# Altium PCB pinban2.PcbDoc (part 2 of 5)
Units mm, origin at the board's own origin, x right, y up, seen from the top; angles counter-clockwise.
Board outline 144.36 x 103.75 mm, 2 copper layers (Top Layer, Bottom Layer); 186 components, 0 nets, 548 pads, 74 vias.
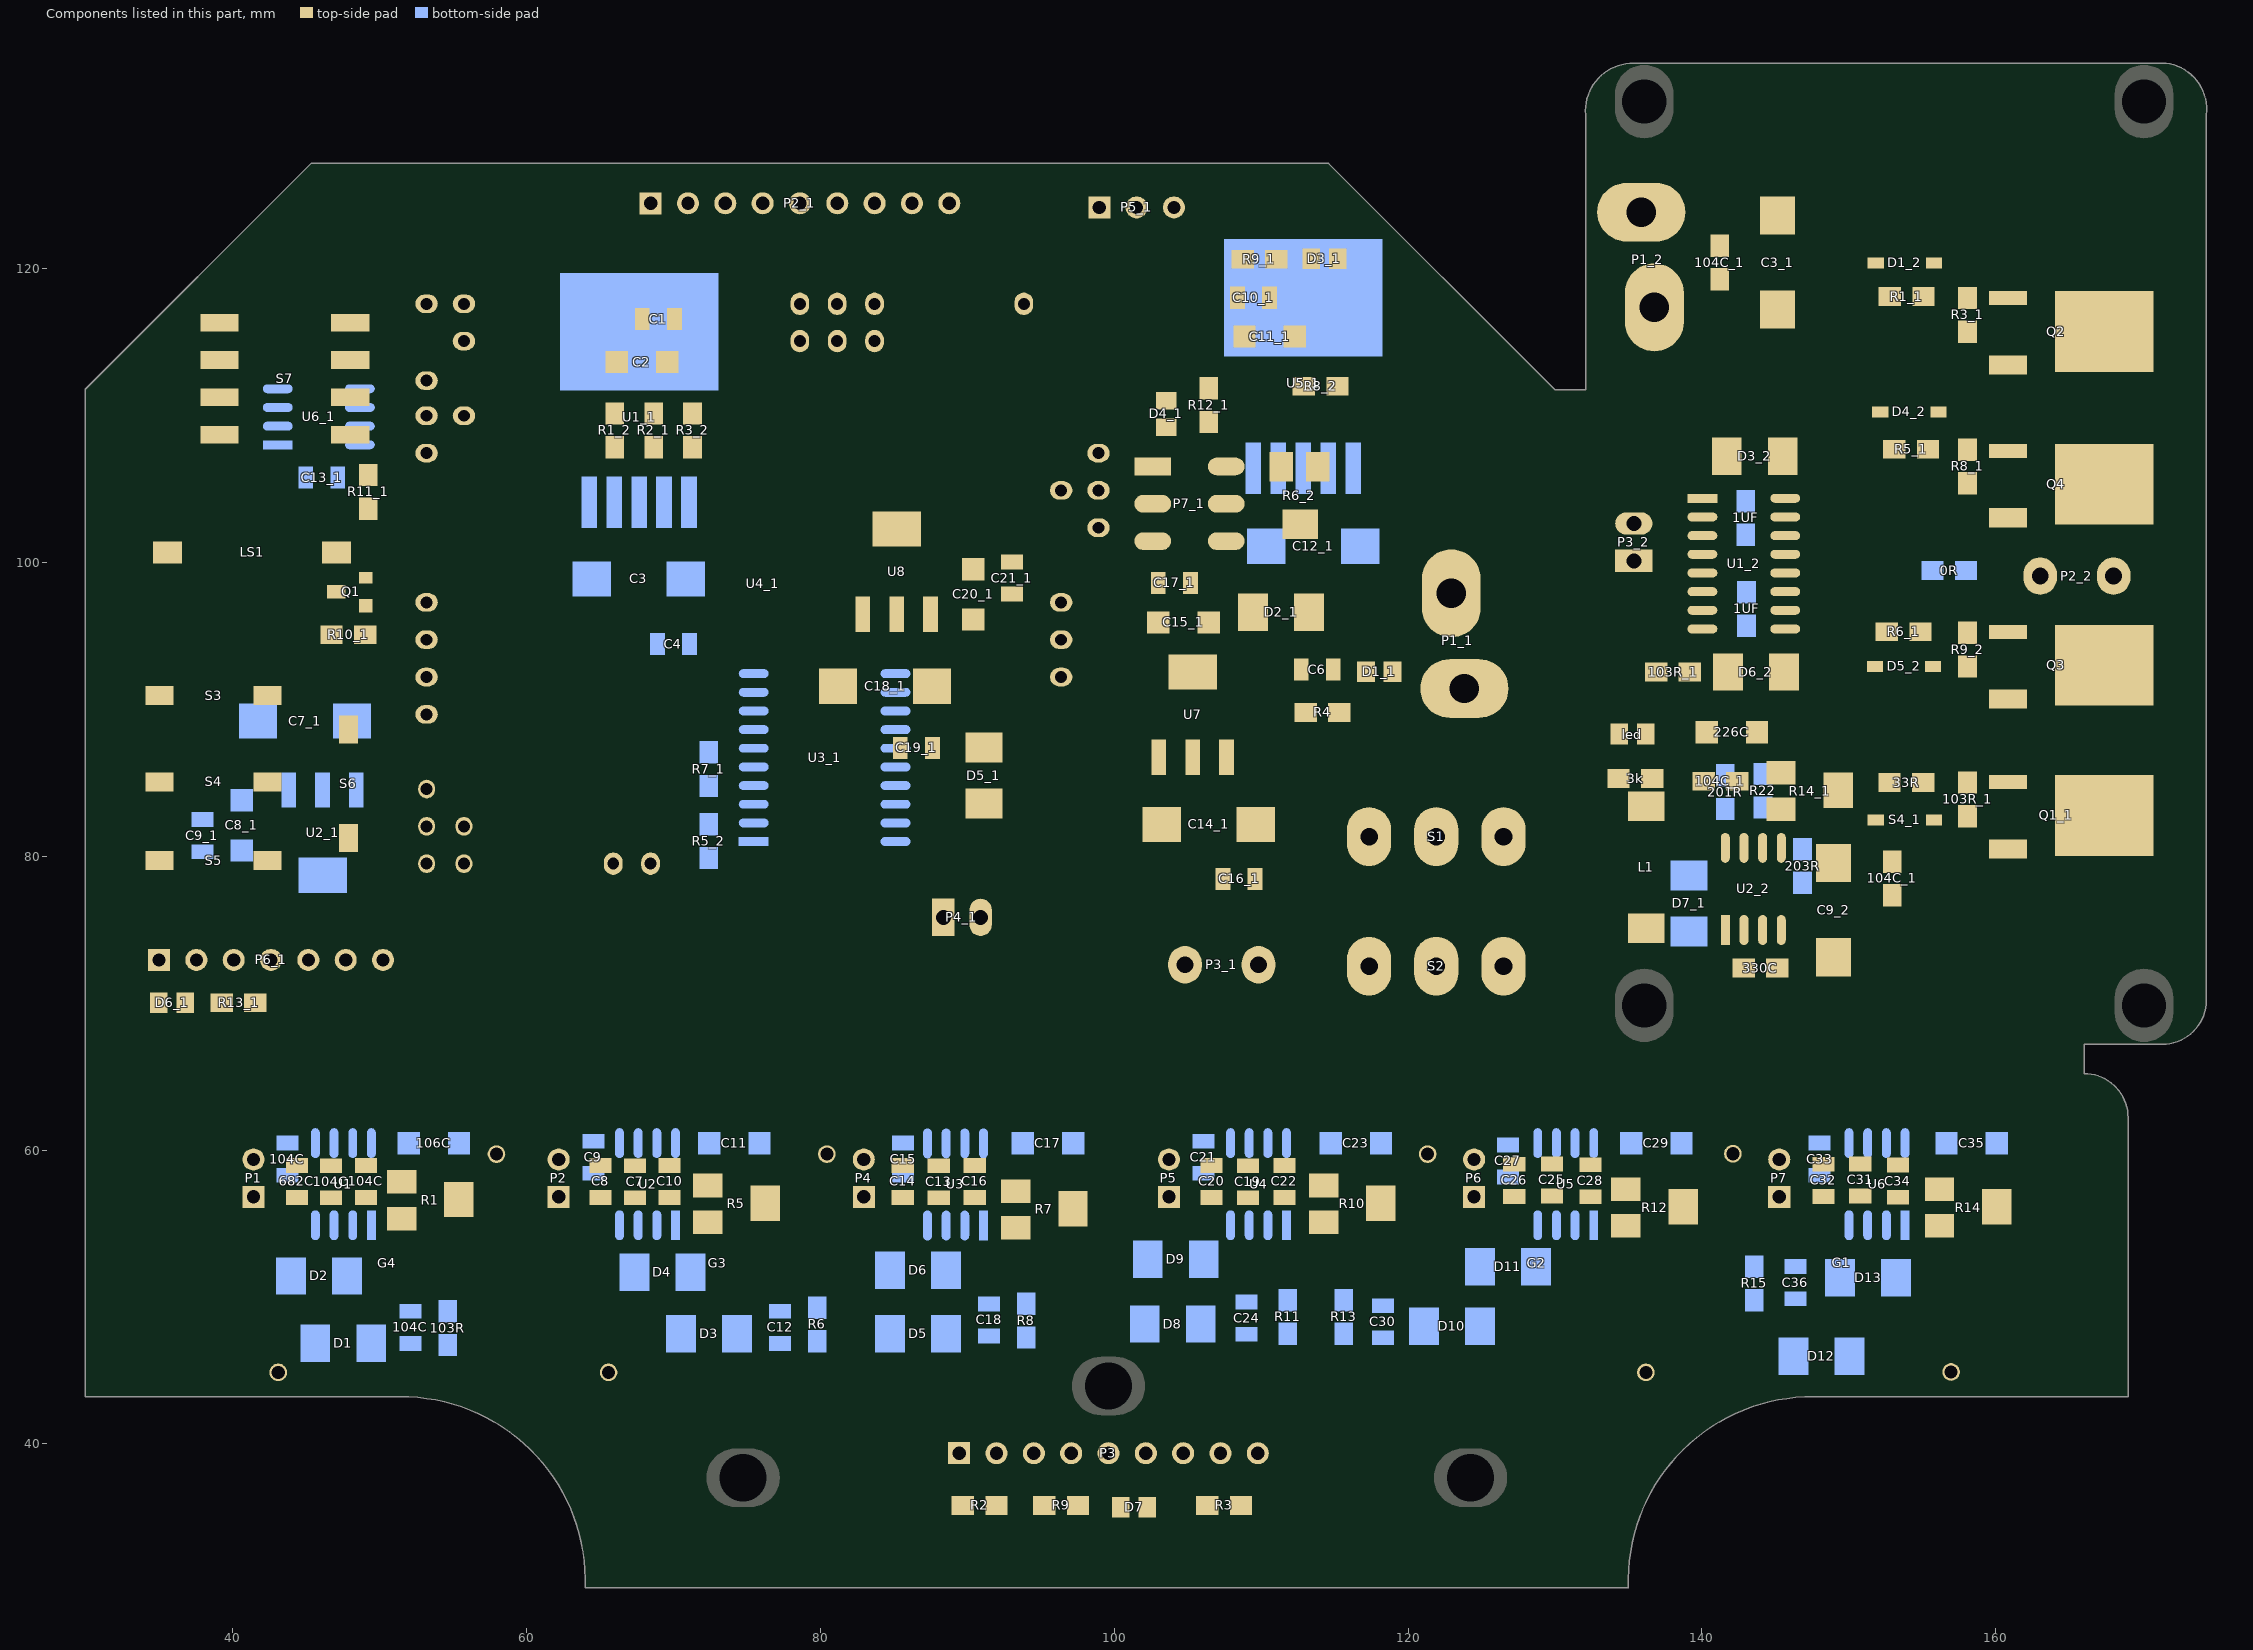
[diagram p2: the components of this part, seen from the top]

## Via types
v1: diameter 0.508, hole 0.381, Top Layer to Bottom Layer, 70 vias
v2: diameter 0.762, hole 0.508, Top Layer to Bottom Layer, 4 vias

## Nets (pads, with @x,y where several pads share a name; then routed paths per layer and width w, separated by ;. In a path a pad name is that pad's centre, name@x,y a point inside that pad or via, vN(x,y) a via of type N, cw(c..) or ccw(c..) an arc to the next point about the centre after c; other vN are vias at no path point) (continued)
copper on no net: (continued)
  Top Layer w0.025: 31.341,59.358 31.519,59.358 ; 31.341,59.383 31.519,59.383 ; 31.341,59.409 31.519,59.409 ; 31.341,59.434 31.519,59.434 ; 31.341,59.459 31.493,59.459 ; 31.341,59.485 31.493,59.485 ; 31.341,59.51 31.493,59.51 ; 31.341,59.536 31.493,59.536 ; 31.341,59.561 31.493,59.561 ; 31.341,59.586 31.493,59.586 ; 31.341,59.612 31.493,59.612 ; 31.341,59.637 31.493,59.637 ; 31.341,59.663 31.493,59.663 ; 31.341,59.688 31.493,59.688 ; 31.341,59.713 31.493,59.713 ; 31.341,59.739 31.493,59.739 ; 31.341,59.764 31.493,59.764 ; 31.341,59.79 31.493,59.79 ; 31.341,59.815 31.493,59.815 ; 31.341,59.84 31.493,59.84 ; 31.341,59.866 31.493,59.866 ; 31.341,59.891 31.493,59.891 ; 31.341,59.917 31.493,59.917 ; 31.341,59.942 31.493,59.942 ; 31.341,59.967 31.493,59.967 ; 31.341,59.993 31.493,59.993 ; 31.341,60.018 31.493,60.018 ; 31.341,60.044 31.493,60.044 ; 31.341,60.069 31.519,60.069 ; 31.341,60.094 31.519,60.094 ; 31.341,60.12 31.519,60.12 ; 31.341,60.145 31.519,60.145 ; 31.366,59.256 31.519,59.256 ; 31.366,59.282 31.519,59.282 ; 31.366,59.307 31.519,59.307 ; 31.366,59.332 31.519,59.332 ; 31.366,60.171 31.519,60.171 ; 31.366,60.196 31.519,60.196 ; 31.366,60.221 31.519,60.221 ; 31.366,60.247 31.519,60.247 ; 31.392,59.104 31.544,59.104 ; 31.392,59.129 31.544,59.129 ; 31.392,59.155 31.544,59.155 ; 31.392,59.18 31.544,59.18 ; 31.392,59.205 31.544,59.205 ; 31.392,59.231 31.544,59.231 ; 31.392,60.272 31.519,60.272 ; 31.392,60.298 31.544,60.298 ; 31.392,60.323 31.544,60.323 ; 31.392,60.348 31.544,60.348 ; 31.392,60.374 31.544,60.374 ; 31.392,60.399 31.544,60.399 ; 31.417,58.977 31.595,58.977 ; 31.417,59.002 31.595,59.002 ; 31.417,59.028 31.595,59.028 ; 31.417,59.053 31.569,59.053 ; 31.417,59.078 31.569,59.078 ; 31.417,60.425 31.569,60.425 ; 31.417,60.45 31.569,60.45 ; 31.417,60.475 31.569,60.475 ; 31.417,60.501 31.595,60.501 ; 31.417,60.526 31.595,60.526 ; 31.442,58.875 31.62,58.875 ; 31.442,58.901 31.62,58.901 ; 31.442,58.926 31.595,58.926 ; 31.442,58.951 31.595,58.951 ; 31.442,60.552 31.595,60.552 ; 31.442,60.577 31.595,60.577 ; 31.442,60.602 31.62,60.602 ; 31.442,60.628 31.62,60.628 ; 31.468,58.824 31.646,58.824 ; 31.468,58.85 31.62,58.85 ; 31.468,60.653 31.62,60.653 ; 31.468,60.679 31.62,60.679 ; 31.493,58.748 31.646,58.748 ; 31.493,58.774 31.646,58.774 ; 31.493,58.799 31.646,58.799 ; 31.493,60.704 31.646,60.704 ; 31.493,60.729 31.646,60.729 ; 31.493,60.755 31.646,60.755 ; 31.493,60.78 31.671,60.78 ; 31.519,58.647 31.696,58.647 ; 31.519,58.672 31.696,58.672 ; 31.519,58.697 31.671,58.697 ; 31.519,58.723 31.671,58.723 ; 31.519,60.806 31.671,60.806 ; 31.519,60.831 31.696,60.831 ; 31.519,60.856 31.696,60.856 ; 31.544,58.57 31.722,58.57 ; 31.544,58.596 31.722,58.596 ; 31.544,58.621 31.722,58.621 ; 31.544,60.882 31.696,60.882 ; 31.544,60.907 31.722,60.907 ; 31.544,60.933 31.722,60.933 ; 31.569,58.545 31.747,58.545 ; 31.569,60.958 31.747,60.958 ; 31.595,58.469 31.773,58.469 ; 31.595,58.494 31.747,58.494 ; 31.595,58.52 31.747,58.52 ; 31.595,60.983 31.747,60.983 ; 31.595,61.009 31.747,61.009 ; 31.595,61.034 31.773,61.034 ; 31.62,58.393 31.823,58.393 ; 31.62,58.418 31.798,58.418 ; 31.62,58.443 31.798,58.443 ; 31.62,61.06 31.798,61.06 ; 31.62,61.085 31.798,61.085 ; 31.646,58.367 31.823,58.367 ; 31.646,61.11 31.823,61.11 ; 31.646,61.136 31.823,61.136 ; 31.671,58.316 31.849,58.316 ; 31.671,58.342 31.849,58.342 ; 31.671,61.161 31.849,61.161 ; 31.671,61.187 31.849,61.187 ; 31.696,58.266 31.9,58.266 ; 31.696,58.291 31.849,58.291 ; 31.696,61.212 31.849,61.212 ; 31.696,61.237 31.874,61.237 ; 31.722,58.215 31.925,58.215 ; 31.722,58.24 31.9,58.24 ; 31.722,61.263 31.9,61.263 ; 31.722,61.288 31.9,61.288 ; 31.747,58.164 31.95,58.164 ; 31.747,58.189 31.925,58.189 ; 31.747,61.314 31.925,61.314 ; 31.747,61.339 31.925,61.339 ; 31.773,58.139 31.95,58.139 ; 31.773,61.364 31.95,61.364 ; 31.798,58.088 32.001,58.088 ; 31.798,58.113 31.976,58.113 ; 31.798,61.39 31.95,61.39 ; 31.798,61.415 32.001,61.415 ; 31.823,58.062 32.001,58.062 ; 31.823,59.256 31.95,59.256 ; 31.823,61.441 32.001,61.441 ; 31.849,57.986 32.052,57.986 ; 31.849,58.012 32.052,58.012 ; 31.849,58.037 32.027,58.037 ; 31.849,59.078 31.9,59.078 ; 31.849,59.104 32.027,59.104 ; 31.849,59.129 32.052,59.129 ; 31.849,59.155 31.925,59.155 ; 31.849,61.466 32.027,61.466 ; 31.849,61.491 32.027,61.491 ; 31.874,61.517 32.052,61.517 ; 31.9,57.935 32.103,57.935 ; 31.9,57.961 32.077,57.961 ; 31.9,58.951 32.128,58.951 ; 31.9,59.18 31.95,59.18 ; 31.9,59.282 32.027,59.282 ; 31.9,61.542 32.077,61.542 ; 31.9,61.568 32.103,61.568 ; 31.925,57.885 32.128,57.885 ; 31.925,57.91 32.128,57.91 ; 31.925,58.799 31.976,58.799 ; 31.925,58.824 32.001,58.824 ; 31.925,59.205 32.001,59.205 ; 31.925,61.593 32.103,61.593 ; 31.95,57.859 32.154,57.859 ; 31.95,58.85 32.052,58.85 ; 31.95,58.875 32.077,58.875 ; 31.95,58.901 32.001,58.901 ; 31.95,58.926 32.001,58.926 ; 31.95,59.231 32.001,59.231 ; 31.95,61.06 32.052,61.06 ; 31.95,61.085 32.027,61.085 ; 31.95,61.618 32.128,61.618 ; 31.95,61.644 32.154,61.644 ; 31.976,57.834 32.179,57.834 ; 31.976,59.256 32.027,59.256 ; 31.976,61.034 32.077,61.034 ; 31.976,61.669 32.179,61.669 ; 32.001,57.808 32.204,57.808 ; 32.001,58.672 32.052,58.672 ; 32.001,59.155 32.052,59.155 ; 32.001,61.695 32.204,61.695 ; 32.027,57.758 32.23,57.758 ; 32.027,57.783 32.23,57.783 ; 32.027,58.697 32.128,58.697 ; 32.027,60.755 32.052,60.755 ; 32.027,60.78 32.052,60.78 ; 32.027,60.806 32.052,60.806 ; 32.027,60.831 32.077,60.831 ; 32.027,60.856 32.077,60.856 ; 32.027,60.882 32.077,60.882 ; 32.027,61.009 32.154,61.009 ; 32.027,61.72 32.204,61.72 ; 32.027,61.745 32.23,61.745 ; 32.052,57.732 32.255,57.732 ; 32.052,58.545 32.154,58.545 ; 32.052,58.57 32.204,58.57 ; 32.052,58.596 32.128,58.596 ; 32.052,58.723 32.204,58.723 ; 32.052,58.901 32.128,58.901 ; 32.052,58.926 32.128,58.926 ; 32.052,60.907 32.103,60.907 ; 32.052,60.933 32.154,60.933 ; 32.052,60.958 32.128,60.958 ; 32.052,60.983 32.128,60.983 ; 32.052,61.771 32.255,61.771 ; 32.077,57.707 32.306,57.707 ; 32.077,58.52 32.103,58.52 ; 32.077,58.621 32.128,58.621 ; 32.077,61.796 32.281,61.796 ; 32.103,57.681 32.331,57.681 ; 32.103,58.647 32.154,58.647 ; 32.103,58.748 32.204,58.748 ; 32.103,61.034 32.154,61.034 ; 32.103,61.822 32.306,61.822 ; 32.128,57.656 32.331,57.656 ; 32.128,58.672 32.179,58.672 ; 32.128,60.882 32.23,60.882 ; 32.128,60.907 32.306,60.907 ; 32.128,61.847 32.331,61.847 ; 32.154,57.631 32.357,57.631 ; 32.154,58.367 32.204,58.367 ; 32.154,58.393 32.204,58.393 ; 32.154,58.418 32.23,58.418 ; 32.154,58.596 32.255,58.596 ; 32.154,58.697 32.204,58.697 ; 32.154,58.774 32.204,58.774 ; 32.154,60.755 32.23,60.755 ; 32.154,60.78 32.23,60.78 ; 32.154,60.806 32.408,60.806 ; 32.154,60.831 32.23,60.831 ; 32.154,60.856 32.23,60.856 ; 32.154,61.872 32.357,61.872 ; 32.154,61.898 32.382,61.898 ; 32.179,57.605 32.408,57.605 ; 32.179,58.342 32.204,58.342 ; 32.179,58.443 32.255,58.443 ; 32.179,60.729 32.255,60.729 ; 32.204,57.554 32.433,57.554 ; 32.204,57.58 32.433,57.58 ; 32.204,58.291 32.281,58.291 ; 32.204,58.316 32.281,58.316 ; 32.204,58.469 32.357,58.469 ; 32.204,58.621 32.255,58.621 ; 32.204,60.679 32.281,60.679 ; 32.204,60.704 32.281,60.704 ; 32.204,60.933 32.306,60.933 ; 32.204,60.958 32.306,60.958 ; 32.204,60.983 32.306,60.983 ; 32.204,61.923 32.408,61.923 ; 32.204,61.949 32.433,61.949 ; 32.23,57.529 32.458,57.529 ; 32.23,60.653 32.281,60.653 ; 32.255,57.504 32.509,57.504 ; 32.255,60.755 32.408,60.755 ; 32.255,60.78 32.408,60.78 ; 32.255,60.831 32.331,60.831 ; 32.255,60.856 32.331,60.856 ; 32.255,60.882 32.331,60.882 ; 32.255,61.009 32.331,61.009 ; 32.255,61.974 32.458,61.974 ; 32.255,61.999 32.484,61.999 ; 32.281,60.729 32.306,60.729 ; 32.281,61.034 32.331,61.034 ; 32.306,57.478 32.535,57.478 ; 32.306,58.164 32.357,58.164 ; 32.306,58.189 32.433,58.189 ; 32.306,61.06 32.458,61.06 ; 32.306,62.025 32.509,62.025 ; 32.331,57.453 32.56,57.453 ; 32.331,58.215 32.433,58.215 ; 32.331,58.367 32.382,58.367 ; 32.331,58.393 32.382,58.393 ; 32.331,58.443 32.382,58.443 ; 32.331,61.085 32.433,61.085 ; 32.331,62.05 32.56,62.05 ; 32.357,57.427 32.585,57.427 ; 32.357,58.062 32.433,58.062 ; 32.357,58.24 32.433,58.24 ; 32.357,58.418 32.382,58.418 ; 32.357,59.688 32.382,59.688 ; 32.357,61.11 32.382,61.11 ; 32.357,62.076 32.585,62.076 ; 32.357,62.101 32.611,62.101 ; 32.382,57.402 32.611,57.402 ; 32.382,60.907 32.433,60.907 ; 32.382,60.933 32.433,60.933 ; 32.408,57.377 32.662,57.377 ; 32.408,58.088 32.458,58.088 ; 32.408,58.113 32.509,58.113 ; 32.408,58.164 32.458,58.164 ; 32.408,58.266 32.484,58.266 ; 32.408,59.459 33.119,59.459 ; 32.408,59.485 33.195,59.485 ; 32.408,59.51 33.246,59.51 ; 32.408,59.536 33.271,59.536 ; 32.408,59.561 33.322,59.561 ; 32.408,59.586 33.398,59.586 ; 32.408,59.612 33.449,59.612 ; 32.408,59.637 33.449,59.637 ; 32.408,59.663 33.525,59.663 ; 32.408,59.688 33.576,59.688 ; 32.408,59.713 33.627,59.713 ; 32.408,59.739 33.652,59.739 ; 32.408,59.764 33.728,59.764 ; 32.408,59.79 33.779,59.79 ; 32.408,59.815 33.83,59.815 ; 32.408,59.84 33.855,59.84 ; 32.408,59.866 33.932,59.866 ; 32.408,59.891 33.957,59.891 ; 32.408,59.917 34.033,59.917 ; 32.408,59.942 34.059,59.942 ; 32.408,59.967 34.135,59.967 ; 32.408,59.993 34.16,59.993 ; 32.408,60.018 34.236,60.018 ; 32.408,60.044 34.287,60.044 ; 32.408,60.069 34.313,60.069 ; 32.408,60.958 32.458,60.958 ; 32.408,60.983 32.458,60.983 ; 32.408,61.009 32.458,61.009 ; 32.408,61.034 32.458,61.034 ; 32.408,62.126 32.636,62.126 ; 32.433,57.351 32.687,57.351 ; 32.433,58.139 32.535,58.139 ; 32.433,58.291 32.458,58.291 ; 32.433,59.282 32.789,59.282 ; 32.433,59.307 32.839,59.307 ; 32.433,59.332 32.865,59.332 ; 32.433,59.358 32.916,59.358 ; 32.433,59.383 32.992,59.383 ; 32.433,59.409 33.043,59.409 ; 32.433,59.434 33.068,59.434 ; 32.433,60.094 34.211,60.094 ; 32.433,60.12 34.16,60.12 ; 32.433,60.145 34.109,60.145 ; 32.433,60.171 34.059,60.171 ; 32.433,60.196 32.814,60.196 ; 32.433,62.152 32.687,62.152 ; 32.458,57.326 32.712,57.326 ; 32.458,57.961 32.585,57.961 ; 32.458,59.18 34.694,59.18 ; 32.458,59.205 34.643,59.205 ; 32.458,59.231 34.617,59.231 ; 32.458,59.256 34.567,59.256 ; 32.458,60.221 32.89,60.221 ; 32.458,60.247 32.941,60.247 ; 32.458,60.272 32.966,60.272 ; 32.458,60.298 33.017,60.298 ; 32.458,60.323 33.068,60.323 ; 32.458,62.177 32.712,62.177 ; 32.484,57.935 32.509,57.935 ; 32.484,58.164 32.56,58.164 ; 32.484,59.129 34.795,59.129 ; 32.484,59.155 34.744,59.155 ; 32.484,60.348 33.119,60.348 ; 32.484,60.374 33.17,60.374 ; 32.509,57.3 32.763,57.3 ; 32.509,59.053 34.871,59.053 ; 32.509,59.078 34.846,59.078 ; 32.509,59.104 34.795,59.104 ; 32.509,60.399 33.22,60.399 ; 32.509,60.425 33.271,60.425 ; 32.509,60.45 33.322,60.45 ; 32.509,60.475 33.347,60.475 ; 32.509,62.203 32.763,62.203 ; 32.535,57.275 32.789,57.275 ; 32.535,57.935 32.611,57.935 ; 32.535,58.977 34.948,58.977 ; 32.535,59.002 34.922,59.002 ; 32.535,59.028 34.922,59.028 ; 32.535,60.501 33.424,60.501 ; 32.535,60.526 33.474,60.526 ; 32.535,62.228 32.789,62.228 ; 32.56,57.25 32.814,57.25 ; 32.56,57.986 32.636,57.986 ; 32.56,58.926 35.024,58.926 ; 32.56,58.951 34.998,58.951 ; 32.56,60.552 33.525,60.552 ; 32.56,60.577 33.551,60.577 ; 32.56,62.253 32.814,62.253 ; 32.585,57.224 32.865,57.224 ; 32.585,57.834 32.636,57.834 ; 32.585,57.859 32.636,57.859 ; 32.585,57.885 32.662,57.885 ; 32.585,57.91 32.662,57.91 ; 32.585,58.012 32.712,58.012 ; 32.585,58.875 35.049,58.875 ; 32.585,58.901 35.024,58.901 ; 32.585,60.602 33.627,60.602 ; 32.585,60.628 33.652,60.628 ; 32.585,62.279 32.865,62.279 ; 32.611,58.799 35.125,58.799 ; 32.611,58.824 35.1,58.824 ; 32.611,58.85 35.075,58.85 ; 32.611,60.653 33.728,60.653 ; 32.611,60.679 33.754,60.679 ; 32.611,60.704 33.805,60.704 ; 32.636,57.199 32.916,57.199 ; 32.636,57.935 32.687,57.935 ; 32.636,57.961 32.687,57.961 ; 32.636,58.037 32.687,58.037 ; 32.636,58.697 32.662,58.697 ; 32.636,58.774 35.125,58.774 ; 32.636,60.729 33.855,60.729 ; 32.636,60.755 33.932,60.755 ; 32.636,62.304 32.916,62.304 ; 32.636,62.33 32.916,62.33 ; 32.662,57.986 32.712,57.986 ; 32.662,58.672 35.227,58.672 ; 32.662,58.748 35.151,58.748 ; 32.662,60.78 33.957,60.78 ; 32.687,57.148 32.992,57.148 ; 32.687,57.173 32.941,57.173 ; 32.687,57.732 32.738,57.732 ; 32.687,58.697 35.202,58.697 ; 32.687,58.723 35.202,58.723 ; 32.687,60.806 34.008,60.806 ; 32.687,60.831 34.059,60.831 ; 32.687,61.771 32.839,61.771 ; 32.687,61.796 32.712,61.796 ; 32.687,61.847 32.712,61.847 ; 32.687,62.355 32.992,62.355 ; 32.712,57.758 32.763,57.758 ; 32.712,57.783 32.789,57.783 ; 32.712,58.647 35.227,58.647 ; 32.712,60.856 34.135,60.856 ; 32.712,60.882 34.16,60.882 ; 32.712,61.72 33.017,61.72 ; 32.712,61.745 32.763,61.745 ; 32.712,61.872 32.814,61.872 ; 32.712,61.898 32.814,61.898 ; 32.738,57.123 33.017,57.123 ; 32.738,57.808 32.865,57.808 ; 32.738,58.596 35.252,58.596 ; 32.738,58.621 35.252,58.621 ; 32.738,60.907 34.211,60.907 ; 32.738,61.695 32.916,61.695 ; 32.738,61.796 32.839,61.796 ; 32.738,62.38 33.017,62.38 ; 32.763,58.57 35.278,58.57 ; 32.763,60.933 34.262,60.933 ; 32.763,61.669 32.916,61.669 ; 32.763,61.822 32.839,61.822 ; 32.763,61.847 32.814,61.847 ; 32.789,57.097 33.093,57.097 ; 32.789,57.656 32.89,57.656 ; 32.789,57.681 32.89,57.681 ; 32.789,57.834 32.89,57.834 ; 32.789,57.859 32.89,57.859 ; 32.789,58.52 35.329,58.52 ; 32.789,58.545 35.303,58.545 ; 32.789,60.958 34.338,60.958 ; 32.789,60.983 34.338,60.983 ; 32.789,62.406 33.093,62.406 ; 32.814,57.072 33.144,57.072 ; 32.814,57.631 32.865,57.631 ; 32.814,57.707 32.839,57.707 ; 32.814,57.732 32.839,57.732 ; 32.814,57.758 32.865,57.758 ; 32.814,57.783 32.865,57.783 ; 32.814,57.885 32.839,57.885 ; 32.814,58.494 35.329,58.494 ; 32.814,61.009 34.414,61.009 ; 32.814,61.06 32.839,61.06 ; 32.814,61.568 32.992,61.568 ; 32.814,61.593 32.916,61.593 ; 32.814,61.618 32.865,61.618 ; 32.814,61.644 32.89,61.644 ; 32.814,61.745 32.865,61.745 ; 32.814,62.431 33.119,62.431 ; 32.839,57.046 33.17,57.046 ; 32.839,58.443 35.354,58.443 ; 32.839,58.469 35.354,58.469 ; 32.839,59.282 34.516,59.282 ; 32.839,60.196 34.008,60.196 ; 32.839,61.034 34.465,61.034 ; 32.839,61.542 32.941,61.542 ; 32.839,62.457 33.17,62.457 ; 32.865,57.707 32.916,57.707 ; 32.865,61.06 34.516,61.06 ; 32.865,61.085 34.541,61.085 ; 32.89,57.021 33.22,57.021 ; 32.89,57.732 32.941,57.732 ; 32.89,58.393 35.379,58.393 ; 32.89,58.418 35.379,58.418 ; 32.89,61.11 34.617,61.11 ; 32.89,61.618 33.017,61.618 ; 32.89,62.482 33.22,62.482 ; 32.916,57.758 32.992,57.758 ; 32.916,57.783 32.992,57.783 ; 32.916,58.367 35.405,58.367 ; 32.916,59.307 34.44,59.307 ; 32.916,61.136 34.668,61.136 ; 32.916,61.644 33.017,61.644 ; 32.941,56.996 33.297,56.996 ; 32.941,58.342 35.405,58.342 ; 32.941,60.221 33.932,60.221 ; 32.941,61.161 35.557,61.161 ; 32.941,61.187 35.583,61.187 ; 32.941,61.593 32.992,61.593 ; 32.941,61.669 33.017,61.669 ; 32.941,61.695 33.017,61.695 ; 32.941,61.745 33.017,61.745 ; 32.941,62.507 33.297,62.507 ; 32.966,57.529 33.017,57.529 ; 32.966,57.554 33.017,57.554 ; 32.966,57.58 33.017,57.58 ; 32.966,57.605 33.017,57.605 ; 32.966,58.316 35.43,58.316 ; 32.966,62.533 33.322,62.533 ; 32.992,56.97 33.347,56.97 ; 32.992,57.504 33.043,57.504 ; 32.992,57.631 33.043,57.631 ; 32.992,58.291 35.43,58.291 ; 32.992,59.332 34.414,59.332 ; 32.992,61.212 35.659,61.212 ; 32.992,61.237 36.04,61.237 ; 33.017,56.945 33.398,56.945 ; 33.017,57.656 33.144,57.656 ; 33.017,57.681 33.144,57.681 ; 33.017,58.24 34.135,58.24 ; 33.017,58.266 34.109,58.266 ; 33.017,62.558 33.398,62.558 ; 33.043,57.478 33.119,57.478 ; 33.043,58.189 33.068,58.189 ; 33.043,61.263 36.014,61.263 ; 33.043,61.288 35.989,61.288 ; 33.068,56.919 33.449,56.919 ; 33.068,57.453 33.119,57.453 ; 33.068,57.554 33.119,57.554 ; 33.068,58.215 34.135,58.215 ; 33.093,57.504 33.144,57.504 ; 33.093,57.529 33.144,57.529 ; 33.093,58.189 34.135,58.189 ; 33.093,60.247 33.83,60.247 ; 33.093,61.314 35.964,61.314 ; 33.093,62.584 33.449,62.584 ; 33.119,58.164 34.135,58.164 ; 33.119,59.358 34.313,59.358 ; 33.119,61.339 35.938,61.339 ; 33.144,56.894 33.525,56.894 ; 33.144,57.605 33.195,57.605 ; 33.144,57.631 33.195,57.631 ; 33.144,58.139 34.135,58.139 ; 33.144,61.364 35.913,61.364 ; 33.144,62.609 33.551,62.609 ; 33.17,57.58 33.195,57.58 ; 33.17,60.272 33.754,60.272 ; 33.17,61.39 35.862,61.39 ; 33.17,62.634 33.601,62.634 ; 33.195,56.869 33.627,56.869 ; 33.195,58.088 34.135,58.088 ; 33.195,58.113 34.135,58.113 ; 33.195,61.415 35.837,61.415 ; 33.22,56.843 33.678,56.843 ; 33.22,61.441 35.811,61.441 ; 33.22,62.66 33.678,62.66 ; 33.246,58.062 34.135,58.062 ; 33.246,59.383 34.211,59.383 ; 33.271,61.466 35.76,61.466 ; 33.297,56.818 33.779,56.818 ; 33.297,58.037 34.109,58.037 ; 33.297,61.491 35.76,61.491 ; 33.297,62.685 33.805,62.685 ; 33.322,57.986 35.71,57.986 ; 33.322,58.012 35.735,58.012 ; 33.347,56.792 33.906,56.792 ; 33.347,57.3 33.398,57.3 ; 33.347,57.326 33.398,57.326 ; 33.347,57.351 33.424,57.351 ; 33.347,61.517 35.71,61.517 ; 33.373,57.377 33.551,57.377 ; 33.373,62.711 33.906,62.711 ; 33.398,57.402 33.449,57.402 ; 33.398,57.427 33.449,57.427 ; 33.398,57.453 33.449,57.453 ; 33.398,57.961 35.659,57.961 ; 33.398,61.542 35.659,61.542 ; 33.398,62.736 34.008,62.736 ; 33.424,57.478 33.449,57.478 ; 33.424,57.504 33.449,57.504 ; 33.424,57.935 35.608,57.935 ; 33.424,61.568 35.608,61.568 ; 33.449,56.767 34.059,56.767 ; 33.449,57.25 33.525,57.25 ; 33.449,57.275 33.525,57.275 ; 33.449,57.351 33.551,57.351 ; 33.449,59.409 34.059,59.409 ; 33.449,61.593 35.583,61.593 ; 33.474,56.742 34.186,56.742 ; 33.474,57.3 33.525,57.3 ; 33.474,57.91 35.557,57.91 ; 33.5,57.326 33.551,57.326 ; 33.5,57.885 35.532,57.885 ; 33.5,61.618 35.532,61.618 ; 33.5,62.761 34.186,62.761 ; 33.525,57.402 33.576,57.402 ; 33.551,57.427 33.601,57.427 ; 33.551,57.859 35.481,57.859 ; 33.551,61.644 35.481,61.644 ; 33.576,56.716 35.481,56.716 ; 33.576,62.787 35.481,62.787 ; 33.601,57.199 33.652,57.199 ; 33.601,59.434 33.932,59.434 ; 33.627,57.224 33.805,57.224 ; 33.627,57.25 33.703,57.25 ; 33.627,57.834 35.43,57.834 ; 33.627,61.669 35.43,61.669 ; 33.627,62.05 33.678,62.05 ; 33.627,62.076 33.703,62.076 ; 33.652,56.691 35.379,56.691 ; 33.652,57.275 33.703,57.275 ; 33.652,61.695 35.405,61.695 ; 33.652,62.101 33.881,62.101 ; 33.652,62.812 35.379,62.812 ; 33.678,57.3 33.728,57.3 ; 33.678,57.808 35.354,57.808 ; 33.703,57.326 33.805,57.326 ; 33.703,62.126 33.855,62.126 ; 33.703,62.152 33.855,62.152 ; 33.703,62.203 33.855,62.203 ; 33.703,62.228 33.754,62.228 ; 33.703,62.253 34.008,62.253 ; 33.703,62.279 33.83,62.279 ; 33.703,62.304 33.83,62.304 ; 33.703,62.33 33.83,62.33 ; 33.703,62.406 33.805,62.406 ; 33.703,62.431 33.805,62.431 ; 33.728,57.199 33.805,57.199 ; 33.728,57.351 33.805,57.351 ; 33.728,57.377 33.779,57.377 ; 33.728,61.72 35.329,61.72 ; 33.728,62.076 33.805,62.076 ; 33.728,62.177 33.83,62.177 ; 33.728,62.355 33.779,62.355 ; 33.728,62.38 33.805,62.38 ; 33.728,62.838 35.329,62.838 ; 33.754,57.148 33.805,57.148 ; 33.754,57.173 33.805,57.173 ; 33.754,57.25 33.805,57.25 ; 33.754,57.275 33.805,57.275 ; 33.754,57.3 33.805,57.3 ; 33.754,57.783 35.303,57.783 ; 33.754,62.025 33.805,62.025 ; 33.754,62.05 33.906,62.05 ; 33.779,56.665 35.278,56.665 ; 33.779,62.228 33.855,62.228 ; 33.805,57.758 35.227,57.758 ; 33.805,61.745 35.252,61.745 ; 33.83,62.025 33.906,62.025 ; 33.83,62.076 33.881,62.076 ; 33.855,56.64 35.202,56.64 ; 33.855,62.279 34.008,62.279 ; 33.855,62.406 33.982,62.406 ; 33.855,62.431 33.982,62.431 ; 33.855,62.863 35.202,62.863 ; 33.881,57.732 35.176,57.732 ; 33.881,61.771 35.151,61.771 ; 33.906,57.123 33.932,57.123 ; 33.906,57.148 33.932,57.148 ; 33.906,57.173 33.957,57.173 ; 33.906,57.199 33.957,57.199 ; 33.906,57.224 33.957,57.224 ; 33.906,62.152 33.957,62.152 ; 33.906,62.177 34.033,62.177 ; 33.906,62.304 34.008,62.304 ; 33.932,57.25 33.957,57.25 ; 33.932,57.275 34.008,57.275 ; 33.932,57.3 34.008,57.3 ; 33.932,61.796 35.125,61.796 ; 33.932,62.203 34.008,62.203 ; 33.932,62.228 34.008,62.228 ; 33.932,62.33 34.008,62.33 ; 33.932,62.457 33.957,62.457 ; 33.957,62.355 34.033,62.355 ; 33.982,57.224 34.033,57.224 ; 33.982,57.25 34.033,57.25 ; 33.982,57.707 35.075,57.707 ; 34.008,56.615 35.049,56.615 ; 34.008,57.097 34.109,57.097 ; 34.008,57.123 34.109,57.123 ; 34.008,57.148 34.033,57.148 